# Altium PCB DD2090_4CAM_FFC.PcbDoc (part 2 of 4) (continued)
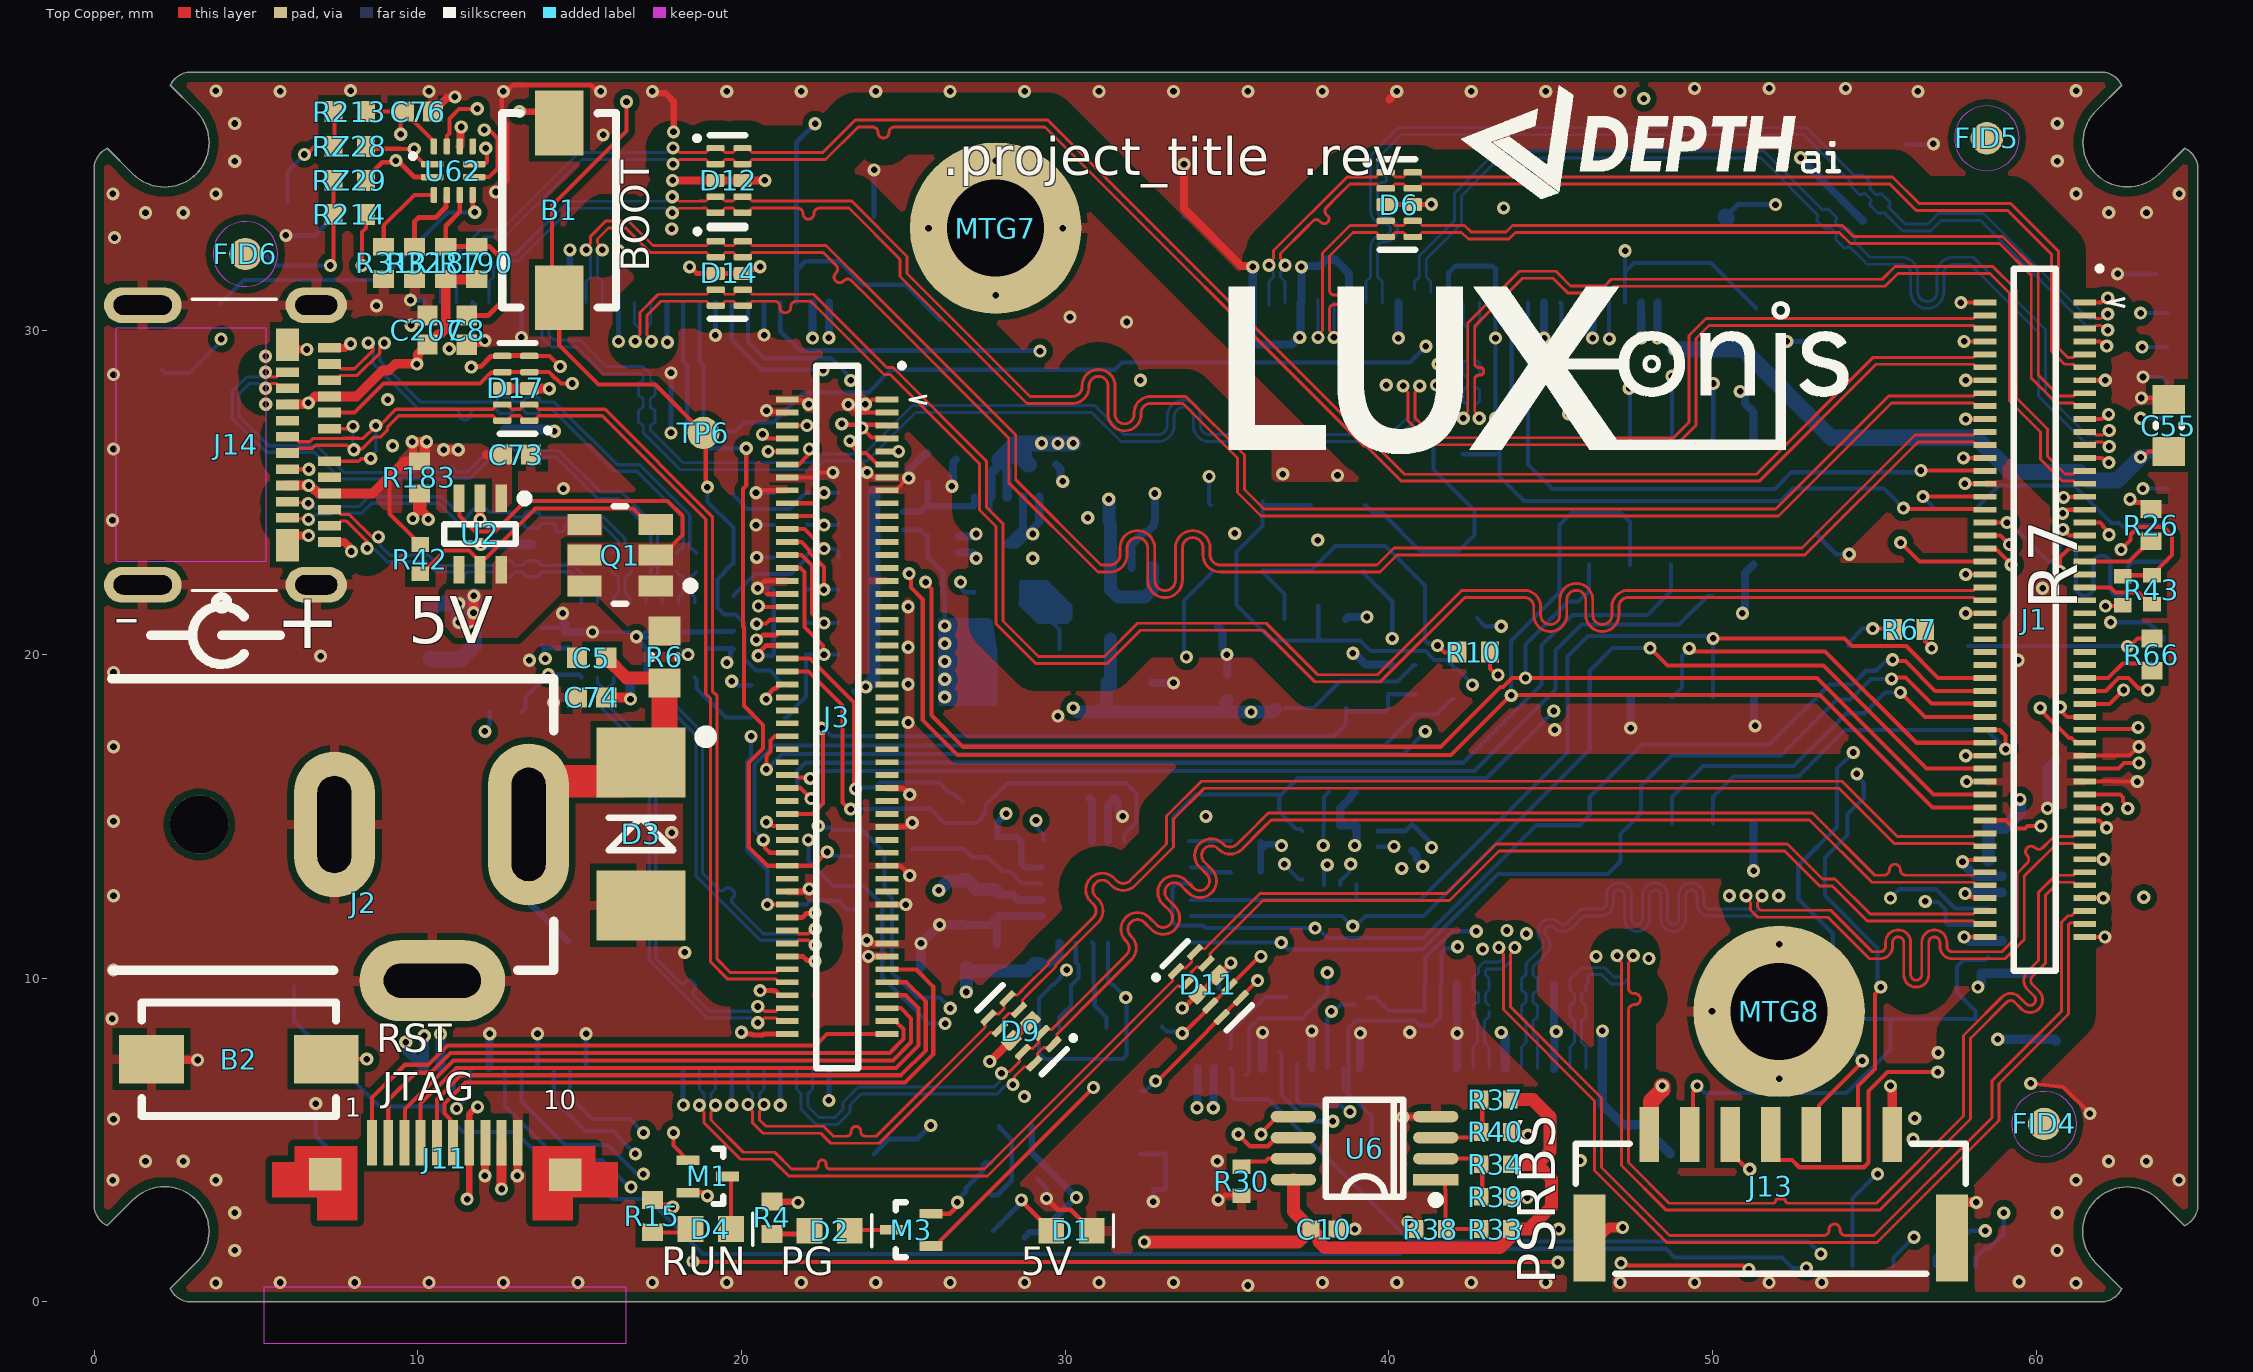
[diagram p0: Top Copper view]
## Nets (pads, with @x,y where several pads share a name; then routed paths per layer and width w, separated by ;. In a path a pad name is that pad's centre, name@x,y a point inside that pad or via, vN(x,y) a via of type N, cw(c..) or ccw(c..) an arc to the next point about the centre after c; other vN are vias at no path point) (continued)
BNO08x_INT_1V8: J1.69 TP25.1 U7.4 U12.14 | length 32.3
  Top Copper w0.127: v1(60.125,18.35) 60.125,18.304 61.009,17.42 61.095,17.42 61.24,17.275 J1.69@61.5,17.275
  Layer 2 w0.127: v1(45.096,18.255) 45.144,18.303 60.078,18.303 v1(60.125,18.35)
  Bottom Layer w0.127: U12.14@33.328,14.234 33.328,14.98 34.023,15.675 TP25.1@36.575,15.675 ; U7.4@37.337,14.55 37.276,14.612 37.139,14.612 36.617,15.133 36.617,15.633 TP25.1@36.575,15.675 ; v1(45.096,18.255) 43.019,16.178 37.187,16.178 36.684,15.675 TP25.1@36.575,15.675
BNO08x_RSTn_1V8: J3.44 TP19.1 U12.11 | length 16.9
  Top Copper w0.127: J3.44@21.415,19.475 22.075,19.475 23.125,18.425 23.125,15.427 23.327,15.225 v1(23.375,15.225)
  Bottom Layer w0.127: v1(23.375,15.225) TP19.1@24.175,15.225 ; TP19.1@24.175,15.236 25.837,15.236 26.273,14.8 27.256,14.8 27.546,15.09 27.546,15.353 28.218,16.025 31.881,16.025 32.201,15.705 32.201,14.819 31.828,14.446 U12.11@31.828,14.234
BNO08x_SCK_1V8: J1.74 J5.1 U7.13 U12.19 | length 34
  Top Copper w0.127: v1(48.073,20.2) 48.61,19.663 53.431,19.663 56.608,16.485 58.41,16.485 J1.74@58.42,16.475
  Layer 3 w0.127: v1(38.825,13.525) 38.856,13.494 38.856,11.641 v1(38.887,11.61)
  Bottom Layer w0.127: U12.19@33.891,11.921 38.552,11.921 38.887,11.586 38.887,11.53 39.282,11.925 41.073,11.925 46.208,17.06 46.208,19.495 46.913,20.2 v1(48.073,20.2) ; U7.13@38.5,12.888 38.5,13 38.772,13.272 38.772,13.472 v1(38.825,13.525)
BOOT0: J3.26 R16.1 R23.1 | length 3.8
  Top Copper w0.127: J3.26@21.415,23.075 21.85,23.075 22.179,22.746 22.179,21.271 22.475,20.975 v1(22.55,20.975)
  Bottom Layer w0.127: R23.1@22.04,20.991 22.056,20.975 v1(22.55,20.975) 22.984,20.975 R16.1@23,20.991
BOOT1: J3.24 R22.1 R61.1 | length 3.2
  Top Copper w0.127: J3.24@21.415,23.475 21.85,23.475 22.107,23.218 22.107,23.147 22.547,22.707 v1(22.547,22.005)
  Bottom Layer w0.127: R22.1@22.04,22.005 v1(22.547,22.005) R61.1@23,22.005
BOOT2: J3.22 R21.1 R28.1 R60.1 | length 5.5
  Top Copper w0.127: J3.22@21.415,23.875 21.95,23.875 v1(22.55,23.275)
  Bottom Layer w0.127: R28.1@19.75,21.8 19.75,21.821 20.419,22.49 21.538,22.49 22,22.953 22,23.05 22.211,23.262 22.537,23.262 v1(22.55,23.275) 22.564,23.261 22.889,23.261 23,23.15 R60.1@23,23
BOOT3: J3.20 R20.1 R24.1 | length 2.2
  Top Copper w0.127: J3.20@21.415,24.275 22.261,24.275 22.536,24 v1(22.55,24)
  Bottom Layer w0.127: R20.1@22.04,24.033 22.073,24 22.967,24 R24.1@23,24.033
BOOT4: J3.18 R9.1 R19.1 R29.1 | length 4.9
  Top Copper w0.127: J3.18@21.415,24.675 22.225,24.675 v1(22.55,25)
  Bottom Layer w0.127: R29.1@19.75,24.925 20.175,24.5 21.5,24.5 22,25 R9.1@23,25
BOOT_AUX: J3.28 R2.1 R41.1 R63.1 | length 6.6
  Top Copper w0.127: J3.28@21.415,22.675 21.825,22.675 21.95,22.55 21.95,20.85 22.524,20.276 22.524,20.026 v1(22.55,20)
  Bottom Layer w0.127: R41.1@21.35,18.05 21.4,18.05 21.612,18.262 21.612,18.312 22,18.7 R63.1@22,20 ; R63.1@22.04,20 v1(22.55,20) R2.1@23,20
BOOT_SEL: B1.2 J4.7 J13.4 R28.2 R29.2 R41.2 TP6.1 | length 135.4
  Top Copper w0.127: v1(16.45,37.077) 16.45,36.175 14.15,33.875 14.15,31.248 B1.2@14.373,31.025 14.373,29.552 15.587,28.337 17.337,28.337 18.897,26.778 18.897,25.228 v1(18.95,25.175) ; J13.4@51.8,5.175 51.8,4.625 52.036,4.389 52.453,4.389 52.682,4.16 54.685,4.16 54.825,4.3 54.825,6.518 55.407,7.1 v1(56.962,7.1)
  Layer 2 w0.127: v1(16.45,37.077) 16.975,37.077 17.074,36.979 20.825,36.979 21.904,35.9 52.694,35.9 53.294,35.3 53.5,35.3 53.8,35.6 54.725,35.6 56.2,34.125 59.3,34.125 60.875,32.55 60.875,25.829 63.925,22.779 63.925,17.9 ; v1(50.023,28.375) 50.098,28.375 50.223,28.5 56.079,28.5 58.503,26.076 58.503,22.348 62.476,18.375 63.45,18.375 63.925,17.9 ; v1(63.325,12.5) 63.925,13.1 63.925,17.9
  Layer 3 w0.127: v1(56.962,7.1) 56.95,7.088 56.95,6.6 57.275,6.275 58.357,6.275 59.763,6.275 60.975,6.275 61.375,6.675 62.775,6.675 63.325,7.225 v1(63.325,12.5)
  Bottom Layer w0.127: v1(18.95,25.175) 18.957,25.168 18.957,24.718 R29.2@19.75,23.925 R28.2@19.75,22.8 19.7,22.8 19.489,22.589 19.489,22.551 19.26,22.323 19.26,21.457 19.475,21.242 19.812,21.242 20.095,20.958 20.095,19.864 20.449,19.51 20.89,19.51 21.089,19.312 21.089,19.262 21.3,19.05 R41.2@21.35,19.05 ; J4.7@49.993,26.675 50.023,26.705 v1(50.023,28.375)
CAM1_CLK: D10.5 D10.6 D13.5 D13.6 J1.28 J6.18 J10.18 TP4.1 TP22.1 | length 50.4
  Top Copper w0.127: v1(56.438,25.687) 56.444,25.681 58.414,25.681 J1.28@58.42,25.675
  Layer 2 w0.127: v1(41.148,29.525) 41.552,29.525 41.752,29.325 43.748,29.325 43.948,29.525 v1(44.298,29.525)
  Bottom Layer w0.127: J10.18@18.7,30.875 18.7,29.05 18.825,28.925 D13.5@18.825,28.192 D13.6@18.825,27.357 18.825,26.961 18.899,26.886 19.803,26.886 20.085,27.168 20.989,27.168 21.921,28.1 23.925,28.1 24.625,28.8 31.536,28.8 31.761,29.025 40.648,29.025 v1(41.148,29.525) ; J6.18@44.298,30.875 v1(44.298,29.525) D10.5@44.298,28.835 D10.6@44.298,28 44.298,25.875 45.056,25.117 51.925,25.117 52.441,25.633 56.385,25.633 v1(56.438,25.687)
CAM1_RST: D10.4 D10.7 J1.34 J6.17 TP3.1 | length 22.4
  Top Copper w0.127: v1(55.898,24.525) 55.923,24.5 58.395,24.5 J1.34@58.42,24.475
  Bottom Layer w0.127: TP3.1@42.275,26.188 43.41,26.188 43.423,26.2 ; J6.17@43.798,30.875 D10.4@43.798,28.835 D10.7@43.798,28 43.798,26.925 43.423,26.55 43.423,26.2 ; v1(55.898,24.525) 55.298,25.125 52.485,25.125 52.1,24.74 44.183,24.74 43.423,25.5 43.423,26.2
CAM2_RST: D13.4 D13.7 J3.74 J10.17 TP23.1 | length 22.5
  Top Copper w0.127: v1(20.15,26.375) 20.15,25.221 20.052,25.123 20.052,20.86 20.082,20.83 20.082,18.418 20.671,17.829 20.671,17.096 20.225,16.65 20.225,14.05 20.8,13.475 J3.74@21.415,13.475 22.225,13.475 v1(22.65,13.9)
  Bottom Layer w0.127: J10.17@18.2,30.875 18.2,29.075 18.325,28.95 D13.4@18.325,28.192 D13.7@18.325,27.357 18.325,26.975 18.925,26.375 v1(20.15,26.375) ; v1(22.65,13.9) 22.726,13.9 22.851,13.775 TP23.1@23.4,13.775
CAM_L_C_N: D7.1 D7.10 J1.95 J8.8 | length 35.2
  Top Copper w0.089: v1(43.895,10.95) 43.895,10.879 43.756,10.739 43.756,9.119 46.575,6.3 46.575,4.15 48.675,2.05 53.122,2.05 53.428,2.05 ccw(c53.428,2.221) 53.599,2.221 53.599,2.233 cw(c53.771,2.233) 53.942,2.233 53.942,2.221 ccw(c54.114,2.221) 54.114,2.05 54.501,2.05 54.995,2.05 58.634,5.689 58.634,6.834 60.788,8.988 60.788,11.74 60.979,11.931 61.096,11.931 61.24,12.075 J1.95@61.5,12.075
  Bottom Layer w0.089: J8.8@43.1,7.227 J8.8@43.098,7.225 43.098,7.875 42.956,8.017 42.956,8.24 42.958,8.242 42.958,8.692 43.013,8.748 43.045,8.748 43.1,8.803 D7.1@43.1,8.982 ; D7.1@43.1,9.162 42.989,9.273 42.983,9.273 42.983,9.527 42.989,9.527 43.1,9.638 D7.10@43.1,9.817 43.1,9.997 42.989,10.108 42.983,10.108 42.983,10.235 43.035,10.287 43.519,10.287 43.756,10.524 43.756,10.739 43.895,10.879 v1(43.895,10.95)
CAM_L_C_P: D7.2 D7.9 J1.97 J8.9 | length 35.2
  Top Copper w0.089: v1(43.4,10.95) 43.4,10.879 43.54,10.739 43.54,9.03 46.359,6.211 46.359,4.061 48.586,1.834 53.122,1.834 54.501,1.834 55.084,1.834 58.85,5.6 58.85,6.745 61.004,8.899 61.004,11.651 61.069,11.716 61.459,11.716 J1.97@61.5,11.675
  Bottom Layer w0.089: J8.9@42.598,7.225 42.598,7.875 42.74,8.017 42.74,8.329 42.742,8.331 42.742,8.692 42.687,8.748 42.655,8.748 42.6,8.803 D7.2@42.6,8.982 ; D7.2@42.6,9.162 42.655,9.217 42.712,9.217 42.767,9.273 42.767,9.527 42.712,9.583 42.68,9.583 42.6,9.663 D7.9@42.6,9.817 42.6,10.003 42.767,10.17 42.767,10.325 42.946,10.503 43.429,10.503 43.54,10.614 43.54,10.739 43.4,10.879 v1(43.4,10.95)
CAM_L_D0_N: D5.1 D5.10 J1.89 J8.2 | length 35.2
  Top Copper w0.089: v1(47.55,10.7) 47.55,10.62 47.405,10.475 47.405,9.698 ccw(c47.577,9.698) 47.577,9.527 47.601,9.527 cw(c47.601,9.355) 47.601,9.184 47.577,9.184 ccw(c47.577,9.012) 47.405,9.012 47.405,8.625 47.405,4.304 48.66,3.05 51.025,3.05 51.867,3.05 ccw(c51.867,3.139) 51.956,3.139 cw(c52,3.139) 52,3.183 52.205,3.183 cw(c52.205,3.139) 52.249,3.139 ccw(c52.338,3.139) 52.338,3.05 52.675,3.05 53.025,3.05 55.07,3.05 57.759,5.739 57.759,8.234 57.892,8.367 58.939,9.414 cw(c59.213,9.141) 59.487,9.414 59.69,9.212 ccw(c59.811,9.333) 59.933,9.212 ccw(c59.811,9.333) 59.933,9.454 59.73,9.657 cw(c60.004,9.931) 59.73,10.205 59.837,10.312 60.075,10.55 60.075,12.655 60.603,13.183 61.148,13.183 61.24,13.275 J1.89@61.5,13.275
  Bottom Layer w0.089: 45.956,8.329 45.956,8.017 46.098,7.875 J8.2@46.098,7.225 ; 45.956,8.329 45.956,8.685 46.011,8.74 46.043,8.74 46.098,8.796 D5.1@46.098,8.975 46.098,9.155 46.043,9.21 46.011,9.21 45.956,9.265 45.956,9.52 46.011,9.575 46.043,9.575 46.098,9.631 D5.10@46.098,9.81 46.15,9.862 46.15,10.054 46.205,10.11 46.582,10.11 46.867,9.825 47.232,9.825 47.41,10.004 47.41,10.489 47.55,10.629 v1(47.55,10.7)
CAM_L_D0_P: D5.2 D5.9 J1.91 J8.3 | length 35.2
  Top Copper w0.089: v1(47.055,10.7) 47.055,10.614 47.19,10.479 47.19,4.215 48.57,2.834 55.159,2.834 57.975,5.65 57.975,8.145 58.045,8.214 59.092,9.262 cw(c59.213,9.141) 59.335,9.262 59.537,9.059 ccw(c59.811,9.333) 60.085,9.059 ccw(c59.811,9.333) 60.085,9.607 59.882,9.81 cw(c60.004,9.931) 59.882,10.052 59.99,10.16 60.291,10.461 60.291,12.566 60.692,12.967 61.148,12.967 61.24,12.875 J1.91@61.5,12.875
  Bottom Layer w0.089: J8.3@45.598,7.225 45.598,7.875 45.74,8.017 45.74,8.24 45.74,8.685 45.684,8.74 45.653,8.74 45.598,8.796 D5.2@45.598,8.975 45.598,9.155 45.653,9.21 45.684,9.21 45.74,9.265 45.74,9.52 45.684,9.575 45.653,9.575 45.598,9.631 D5.9@45.598,9.81 45.598,9.99 45.653,10.045 45.684,10.045 45.965,10.326 46.671,10.326 46.956,10.041 47.142,10.041 47.194,10.093 47.194,10.489 47.055,10.629 v1(47.055,10.7)
CAM_L_D1_N: D5.4 D5.7 J1.83 J8.5 | length 35.2
  Top Copper w0.089: v1(51.531,12.55) 51.531,12.479 51.391,12.339 51.391,12.196 51.487,12.1 53.655,12.1 54.937,10.819 55.025,10.819 55.177,10.819 ccw(c55.177,10.99) 55.349,10.99 55.349,11.107 cw(c55.736,11.107) 56.124,11.107 56.124,10.11 ccw(c56.295,10.11) 56.466,10.11 56.466,11.107 cw(c56.854,11.107) 57.241,11.107 57.241,10.99 ccw(c57.413,10.99) 57.413,10.819 58.25,10.819 58.944,10.819 59.415,11.29 59.415,13.245 59.452,13.283 59.722,13.552 ccw(c59.602,13.672) 59.722,13.792 cw(c59.842,13.912) 59.722,14.032 cw(c59.842,13.912) 59.962,14.032 ccw(c60.081,14.151) 60.201,14.032 60.472,14.303 60.553,14.383 61.148,14.383 61.24,14.475 J1.83@61.5,14.475
  Bottom Layer w0.089: 44.456,8.329 44.456,8.281 44.598,8.138 J8.5@44.598,7.225 ; 44.456,8.329 44.456,8.685 44.511,8.74 44.543,8.74 44.598,8.796 D5.4@44.598,8.975 44.598,9.155 44.543,9.21 44.511,9.21 44.456,9.265 44.456,9.52 44.511,9.575 44.543,9.575 44.598,9.631 D5.7@44.598,9.81 44.598,9.99 44.543,10.045 44.511,10.045 44.456,10.1 44.456,10.356 44.763,10.663 44.87,10.77 ccw(c44.596,11.044) 44.87,11.318 ; 44.87,11.318 cw(c44.991,11.439) 44.87,11.561 cw(c44.991,11.439) 45.113,11.561 ccw(c45.387,11.834) 45.661,11.561 46.025,11.925 46.358,11.925 46.4,11.925 46.552,11.925 ccw(c46.552,12.312) 46.94,12.312 46.94,12.558 cw(c47.111,12.558) 47.283,12.558 47.283,11.834 ccw(c47.67,11.834) 48.057,11.834 48.057,12.558 cw(c48.229,12.558) 48.4,12.558 48.4,11.834 ccw(c48.788,11.834) 49.175,11.834 49.175,12.558 cw(c49.346,12.558) 49.518,12.558 49.518,12.312 ccw(c49.905,12.312) 49.905,11.925 51.1,11.925 51.213,11.925 51.391,12.104 51.391,12.339 51.531,12.479 v1(51.531,12.55)
CAM_L_D1_P: D5.5 D5.6 J1.85 J8.6 | length 35.2
  Top Copper w0.089: v1(51.036,12.55) 51.036,12.479 51.175,12.339 51.175,12.106 51.398,11.884 53.566,11.884 54.847,10.603 55.025,10.603 55.177,10.603 ccw(c55.177,10.99) 55.565,10.99 55.565,11.107 cw(c55.736,11.107) 55.908,11.107 55.908,10.11 ccw(c56.295,10.11) 56.682,10.11 56.682,11.107 cw(c56.854,11.107) 57.025,11.107 57.025,10.99 ccw(c57.413,10.99) 57.413,10.603 58.25,10.603 59.033,10.603 59.631,11.201 59.631,13.156 60.642,14.167 61.148,14.167 61.24,14.075 J1.85@61.5,14.075
  Bottom Layer w0.089: J8.6@44.098,7.225 44.098,7.875 44.24,8.017 44.24,8.24 44.24,8.685 44.184,8.74 44.153,8.74 44.098,8.796 D5.5@44.098,8.975 44.098,9.155 44.153,9.21 44.184,9.21 44.24,9.265 44.24,9.52 44.184,9.575 44.153,9.575 44.098,9.631 D5.6@44.098,9.81 44.098,9.99 44.153,10.045 44.184,10.045 44.24,10.1 44.24,10.445 44.61,10.815 44.718,10.923 ccw(c44.596,11.044) 44.718,11.165 cw(c44.991,11.439) 44.718,11.713 cw(c44.991,11.439) 45.265,11.713 ccw(c45.387,11.834) 45.508,11.713 45.936,12.141 46.142,12.141 46.4,12.141 46.552,12.141 ccw(c46.552,12.312) 46.724,12.312 46.724,12.558 cw(c47.111,12.558) 47.499,12.558 47.499,11.834 ccw(c47.67,11.834) 47.841,11.834 47.841,12.558 cw(c48.229,12.558) 48.616,12.558 48.616,11.834 ccw(c48.788,11.834) 48.959,11.834 48.959,12.558 cw(c49.346,12.558) 49.734,12.558 49.734,12.312 ccw(c49.905,12.312) 49.905,12.141 51.1,12.141 51.123,12.141 51.175,12.193 51.175,12.339 51.036,12.479 v1(51.036,12.55)
CAM_L_PWDN: D7.4 D7.7 J1.67 J8.17 TP1.1 | length 36.7
  Top Copper w0.127: J1.67@61.5,17.675 61.526,17.701 63.101,17.701 v1(63.15,17.75)
  Layer 2 w0.127: v1(42.125,10.975) 42.125,11.5 45.104,14.479 57.949,14.479 58.648,15.178 58.648,15.369 59.347,16.068 59.397,16.068 59.656,16.327 61.077,16.327 61.637,16.887 61.637,17.087 62.3,17.75 v1(63.15,17.75)
  Bottom Layer w0.127: J8.17@38.598,7.225 38.598,6.575 38.783,6.39 38.783,6.357 38.896,6.244 38.954,6.244 39.475,5.723 TP1.1@39.475,4.775 ; 38.755,6.357 38.755,8.459 38.994,8.698 40.798,8.698 40.961,8.535 41.335,8.535 41.6,8.8 D7.7@41.6,9.817 41.625,9.842 41.625,10.8 41.747,10.922 42.072,10.922 v1(42.125,10.975)
CAM_R_C_N: D11.1 D11.10 J1.96 J9.8 | length 47.6
  Top Copper w0.089: v1(19.198,6.075) 19.198,6.004 19.058,5.864 19.058,5.625 20.058,4.625 21.028,4.625 21.55,4.103 21.767,4.103 22.254,4.103 ccw(c22.254,4.223) 22.375,4.223 22.375,4.265 cw(c22.496,4.265) 22.616,4.265 22.616,4.223 ccw(c22.737,4.223) 22.737,4.103 23.023,4.103 27.512,4.103 33.32,9.911 33.32,9.99 33.298,10.012 33.298,10.09 D11.1@33.425,10.217 33.552,10.344 33.63,10.344 33.652,10.321 33.731,10.321 33.911,10.502 33.911,10.58 33.889,10.602 33.889,10.68 D11.10@34.016,10.807 34.143,10.934 34.22,10.934 34.243,10.912 34.321,10.912 34.402,10.993 36.025,12.616 41.786,12.616 43.317,14.147 52.322,14.147 53.404,13.065 53.79,13.065 54.872,11.983 57.846,11.983 58.068,11.983 58.16,12.075 J1.96@58.42,12.075
  Bottom Layer w0.089: v1(19.198,6.075) 19.11,6.075 19.058,6.127 19.058,6.433 19.2,6.575 J9.8@19.2,7.225
CAM_R_C_P: D11.2 D11.9 J1.98 J9.9 | length 47.6
  Top Copper w0.089: v1(18.702,6.075) 18.702,6.004 18.842,5.864 18.842,5.536 19.969,4.409 20.938,4.409 21.461,3.887 27.602,3.887 33.473,9.758 33.552,9.758 33.574,9.736 33.652,9.736 D11.2@33.779,9.863 33.906,9.99 33.906,10.068 33.883,10.09 33.883,10.169 34.064,10.349 34.142,10.349 34.164,10.327 34.242,10.327 D11.9@34.369,10.454 34.496,10.58 34.496,10.658 34.474,10.681 34.474,10.759 34.618,10.903 36.115,12.4 41.875,12.4 43.406,13.931 52.232,13.931 53.314,12.849 53.701,12.849 54.783,11.767 57.756,11.767 58.068,11.767 58.16,11.675 J1.98@58.42,11.675
  Bottom Layer w0.089: J9.9@18.7,7.225 18.7,6.575 18.842,6.433 18.842,6.127 18.754,6.127 v1(18.702,6.075)
CAM_R_D0_N: D9.2 D9.9 J1.90 J9.2 | length 47.5
  Top Copper w0.089: v1(28.035,7.063) 28.085,7.113 28.283,7.113 28.536,7.366 28.588,7.418 28.588,7.497 28.566,7.519 28.566,7.597 D9.9@28.693,7.724 28.82,7.851 28.898,7.851 28.92,7.829 28.999,7.829 29.179,8.009 29.179,8.087 29.156,8.109 29.156,8.187 D9.2@29.283,8.314 29.41,8.441 29.488,8.441 29.51,8.419 29.589,8.419 29.756,8.586 30.764,9.594 30.872,9.702 ; 30.872,9.702 31.893,10.723 ; 31.893,11.141 31.875,11.158 cw(c32.236,11.519) 31.875,11.88 cw(c32.236,11.519) 32.597,11.88 ; 31.894,10.724 ccw(c31.685,10.932) 31.894,11.14 ; 32.598,11.88 32.819,11.658 ccw(c33.028,11.866) 33.236,11.657 ; 33.237,11.658 ccw(c33.028,11.866) 33.236,12.074 33.014,12.296 cw(c33.375,12.657) 33.014,13.018 cw(c33.375,12.657) 33.735,13.018 ; 33.736,13.018 33.957,12.796 ccw(c34.166,13.004) 34.374,12.795 ; 34.375,12.796 ccw(c34.166,13.004) 34.374,13.212 34.152,13.435 cw(c34.513,13.795) 34.152,14.156 cw(c34.513,13.795) 34.874,14.156 34.891,14.139 ; 34.892,14.138 ccw(c35.1,14.346) 35.308,14.138 ; 35.309,14.139 35.877,14.707 35.985,14.815 36.278,15.108 53.09,15.108 55.015,13.183 55.25,13.183 55.294,13.183 ccw(c55.294,13.352) 55.464,13.352 cw(c55.633,13.352) 55.633,13.522 cw(c55.633,13.352) 55.803,13.352 ccw(c55.972,13.352) 55.972,13.183 56.816,13.183 57.846,13.183 58.068,13.183 58.16,13.275 J1.90@58.42,13.275
  Bottom Layer w0.089: J9.2@22.2,7.225 22.2,6.575 22.058,6.433 22.058,6.042 22.4,5.7 22.884,5.7 23.134,5.95 23.134,6.164 23.604,6.634 27.804,6.634 27.985,6.815 27.985,7.012 v1(28.035,7.063)
CAM_R_D0_P: D9.1 D9.10 J1.92 J9.3 | length 47.5
  Top Copper w0.089: v1(28.385,6.712) 28.436,6.763 28.436,6.96 28.626,7.15 28.741,7.266 28.819,7.266 28.842,7.243 28.92,7.243 D9.10@29.046,7.37 29.173,7.497 29.173,7.575 29.151,7.597 29.151,7.676 29.331,7.856 29.41,7.856 29.432,7.834 29.51,7.834 D9.1@29.637,7.961 29.764,8.088 29.764,8.166 29.742,8.188 29.742,8.266 29.971,8.496 30.917,9.441 31.024,9.549 32.046,10.571 ccw(c31.685,10.932) 32.046,11.293 32.029,11.31 cw(c32.236,11.519) 32.028,11.727 ; 32.028,11.728 cw(c32.236,11.519) 32.445,11.727 32.667,11.505 ccw(c33.028,11.866) 33.389,11.505 ccw(c33.028,11.866) 33.389,12.227 ; 33.166,12.865 ccw(c33.375,12.657) 33.167,12.449 33.388,12.227 ; 33.167,12.866 cw(c33.375,12.657) 33.583,12.866 33.805,12.643 ccw(c34.166,13.004) 34.527,12.643 ccw(c34.166,13.004) 34.527,13.365 34.305,13.587 ; 34.305,13.587 cw(c34.513,13.795) 34.304,14.003 cw(c34.513,13.795) 34.721,14.004 34.738,13.986 ccw(c35.1,14.346) 35.461,13.986 36.03,14.555 ; 36.03,14.555 36.138,14.662 36.367,14.892 53,14.892 54.925,12.967 57.756,12.967 58.068,12.967 58.16,12.875 J1.92@58.42,12.875
  Bottom Layer w0.089: J9.3@21.7,7.225 21.7,6.575 21.842,6.433 21.842,5.953 22.311,5.484 22.974,5.484 23.35,5.861 23.35,6.075 23.693,6.418 27.893,6.418 28.137,6.662 28.335,6.662 v1(28.385,6.712)
CAM_R_D1_N: D9.5 D9.6 J1.84 J9.5 | length 47.5
  Top Copper w0.089: v1(20.698,6.1) 20.698,6.029 20.558,5.889 20.558,5.625 20.755,5.428 22.539,5.428 22.848,5.119 23.001,5.119 23.246,5.119 ccw(c23.246,5.265) 23.393,5.265 23.393,5.277 cw(c23.539,5.277) 23.685,5.277 23.685,5.265 ccw(c23.831,5.265) 23.831,5.119 24.167,5.119 27.528,8.479 27.528,8.557 27.505,8.58 27.505,8.658 D9.6@27.632,8.785 27.759,8.912 27.837,8.912 27.859,8.889 27.938,8.889 28.118,9.069 28.118,9.148 28.096,9.17 28.096,9.248 D9.5@28.223,9.375 28.35,9.502 28.428,9.502 28.45,9.48 28.528,9.48 28.663,9.614 28.663,9.618 29.483,10.438 29.483,10.493 30.383,11.392 30.49,11.5 ; 30.49,11.5 30.867,11.877 ; 30.867,12.294 30.788,12.373 cw(c31.149,12.734) 30.788,13.095 cw(c31.149,12.734) 31.51,13.095 31.589,13.016 ; 30.868,11.877 ccw(c30.659,12.086) 30.868,12.294 ; 31.59,13.015 ccw(c31.797,13.224) 32.006,13.016 32.575,13.585 32.683,13.692 33.134,14.144 33.134,15.009 34.211,16.086 54.003,16.086 55.706,14.383 57.693,14.383 58.068,14.383 58.16,14.475 J1.84@58.42,14.475
  Bottom Layer w0.089: v1(20.698,6.1) 20.698,6.152 20.558,6.292 20.558,6.433 20.7,6.575 J9.5@20.7,7.225
CAM_R_D1_P: D9.4 D9.7 J1.86 J9.6 | length 47.5
  Top Copper w0.089: v1(20.202,6.1) 20.202,6.029 20.342,5.889 20.342,5.536 20.666,5.212 22.449,5.212 22.758,4.903 24.257,4.903 27.68,8.326 27.759,8.326 27.781,8.304 27.859,8.304 D9.7@27.986,8.431 28.113,8.558 28.113,8.636 28.091,8.658 28.091,8.737 28.271,8.917 28.349,8.917 28.371,8.895 28.449,8.895 D9.4@28.576,9.021 28.703,9.148 28.703,9.226 28.681,9.249 28.681,9.327 28.878,9.525 28.878,9.529 29.698,10.349 29.698,10.403 30.535,11.24 30.643,11.347 31.02,11.724 ccw(c30.659,12.086) 31.02,12.447 30.941,12.525 cw(c31.149,12.734) 30.941,12.942 ; 30.941,12.943 cw(c31.149,12.734) 31.357,12.942 31.436,12.864 ccw(c31.797,13.224) 32.159,12.863 32.727,13.432 32.835,13.54 33.35,14.055 33.35,14.92 34.3,15.87 53.913,15.87 55.616,14.167 57.604,14.167 58.068,14.167 58.16,14.075 J1.86@58.42,14.075
  Bottom Layer w0.089: J9.6@20.2,7.225 20.2,6.575 20.342,6.433 20.342,6.292 20.202,6.152 v1(20.202,6.1)
CAM_R_PWDN: D11.4 D11.7 J1.65 J9.17 TP13.1 | length 56.2
  Top Copper w0.127: v1(33.62,8.3) 33.664,8.3 34.486,9.122 D11.4@34.486,9.156 ; D11.4@34.485,9.157 36.004,10.676 v1(36.051,10.676) ; v1(60.75,18.375) 60.803,18.322 60.803,18.231 60.959,18.075 J1.65@61.5,18.075
  Layer 2 w0.127: v1(16.975,5.225) 17.332,5.225 17.925,4.632 31.429,4.632 32.429,5.632 32.429,7.109 v1(33.62,8.3) ; v1(36.051,10.676) 40.901,10.676 45.21,14.985 57.415,14.985 58.361,15.932 58.429,15.932 59.766,17.268 60.224,17.268 60.8,17.844 60.8,18.325 v1(60.75,18.375)
  Bottom Layer w0.127: J9.17@14.7,7.225 14.7,6.35 15.4,5.65 16.55,5.65 v1(16.975,5.225) ; TP13.1@32.998,8.5 33.144,8.353 33.567,8.353 v1(33.62,8.3)
CAP: C46.1 U12.9 | length 1.3
  Bottom Layer w0.25: C46.1@30.748,15.55 30.828,15.47 U12.9@30.828,14.234
CC1: D17.4 D17.7 J14.A5 RZ28.2 U62.1 | length 19.8
  Top Copper w0.127: J14.A5@7.275,27.475 8.05,27.475 8.946,28.371 11.929,28.371 12.263,28.706 12.593,28.706 D17.7@12.613,28.725 14.054,28.725 14.247,28.532 14.266,28.532 14.423,28.375 v1(14.775,28.375) ; RZ28.2@8.398,35.7 8.471,35.627 9.475,35.627 9.479,35.623 v1(9.891,35.623) 9.944,35.57 9.944,35.403 10.198,35.15 U62.1@10.448,35.15
  Layer 3 w0.127: v1(9.891,35.623) 9.891,34.782 14.775,29.898 v1(14.775,28.375)
CC2: D17.5 D17.6 J14.B5 RZ29.2 U62.2 | length 27.8
  Top Copper w0.127: D17.5@13.448,29.225 14.075,29.225 v1(14.4,28.9)
  Top Copper w0.152: J14.B5@5.976,25.724 v1(6.637,25.724) ; RZ29.2@8.398,34.65 8.398,34.7 8.907,35.21 9.274,35.21 v1(9.323,35.258) 9.389,35.258 9.898,34.75 U62.2@10.448,34.75 ; RZ29.2@8.41,34.713 8.423,34.7 8.423,34.65 RZ29.2@8.498,34.575 ; v1(11.65,28.882) 11.663,28.895 11.943,28.895 12.257,29.209 12.596,29.209 12.625,29.238 D17.5@13.448,29.238
  Layer 3 w0.127: v1(9.323,35.258) 9.323,34.75 14.4,29.673 v1(14.4,28.9)
  Layer 3 w0.152: v1(6.637,25.724) 6.309,25.724 5.825,25.24 5.825,23.936 6.467,23.294 7.044,23.294 7.25,23.5 7.25,23.775 8.213,24.737 10.962,24.737 11.681,25.456 11.681,27.326 11.65,27.356 v1(11.65,28.882)
CD_SW1: J7.9 R66.1 | length 5.8
  Top Copper w0.127: v1(62.825,20.25) 62.876,20.25 63.126,20.5 R66.1@63.575,20.5
  Bottom Layer w0.127: J7.9@57.9,20.265 62.81,20.265 v1(62.825,20.25)
CD_SW2: J7.10 R67.2 | length 1.7
  Top Copper w0.127: v1(54.95,20.8) 55.55,20.8 R67.2@55.575,20.775
  Bottom Layer w0.127: J7.10@54.2,20.265 54.2,20.363 54.636,20.8 v1(54.95,20.8)
COM_AUX_IO2: R10.1 R13.1 R14.1 R27.1 U5.1 | length 10.3
  Top Copper w0.127: v1(41.506,20.281) 41.72,20.066 41.911,20.066 R10.1@41.917,20.072
  Bottom Layer w0.127: U5.1@36.773,21.1 36.773,21.875 36.098,22.55 R14.1@36.098,22.6 37.598,22.6 38.347,23.349 39.901,23.349 41.123,22.127 41.123,20.435 41.223,20.334 41.452,20.334 v1(41.506,20.281)
EEPROM_A0: R33.1 R38.2 U6.1 | length 2.9
  Top Copper w0.127: U6.1@41.45,3.775 41.63,3.775 41.741,3.663 41.741,3.484 41.75,3.475 R38.2@41.75,2.25 R33.1@42.85,2.25
EEPROM_A1: R34.1 R39.2 U6.2 | length 2.6
  Top Copper w0.127: U6.2@41.45,4.425 42.888,4.425 R39.2@42.888,3.243
EEPROM_A2: R37.1 R40.2 U6.3 | length 2.6
  Top Copper w0.127: U6.3@41.45,5.075 42.888,5.075 R37.1@42.888,6.269
ENV_SCL: R5.2 U12.15 | length 1.3
  Bottom Layer w0.127: U12.15@33.828,14.234 35.107,14.234 R5.2@35.123,14.25
ENV_SDA: R1.2 U12.16 | length 1.3
  Bottom Layer w0.127: U12.16@33.891,13.421 34.326,13.421 34.473,13.275 R1.2@35.123,13.275
FB_3V3: C17.1 R8.1 R25.2 U1.1 | length 3.3
  Bottom Layer w0.2: C17.1@25,24.405 25.53,24.405 25.7,24.575 R8.1@25.75,24.575 ; R25.2@25.75,25.325 R8.1@25.75,24.575 ; U1.1@27.2,24.875 27.2,24.615 27.16,24.575 R8.1@25.75,24.575
FSIN1: J6.23 R17.2 | length 17
  Layer 2 w0.127: v1(41.523,28.975) 46.037,28.975 v1(46.816,29.754)
  Bottom Layer w0.127: R17.2@39.273,24.625 39.516,24.381 39.789,24.381 40.97,23.2 42.148,23.2 42.648,23.7 42.648,24.452 41.382,25.718 41.382,27.463 41.841,27.921 41.841,28.657 41.548,28.95 v1(41.523,28.975) ; J6.23@46.798,30.875 46.807,30.866 46.807,29.763 v1(46.816,29.754)
FSIN2: J8.23 R13.2 | length 19.4
  Layer 2 w0.127: v1(40.106,20.499) 40.106,16.772 40.673,16.205 40.673,13.667 v1(40.398,13.393)
  Layer 3 w0.127: v1(38.098,10.175) 38.6,10.175 40.398,11.973 v1(40.398,13.393)
  Bottom Layer w0.127: J8.23@35.575,7.014 35.685,7.123 35.685,8.46 35.985,8.76 37.321,8.76 38.098,9.537 v1(38.098,10.175) ; R13.2@39.223,22.575 39.223,22.525 40.106,21.641 v1(40.106,20.499)
FSIN3: J9.23 R14.2 | length 36.1
  Layer 2 w0.127: v1(11.2,5.975) 11.688,5.487 14.712,5.487 16.325,7.1 25.448,7.1 28.575,10.227 28.575,15.207 33.293,19.925 v1(33.748,19.925)
  Bottom Layer w0.127: v1(11.2,5.975) 11.614,6.389 11.614,7.139 J9.23@11.7,7.225 ; v1@33.673,19.999 33.673,21.675 34.548,22.55 R14.2@34.548,22.6
FSIN4: J10.23 R18.2 | length 17
  Layer 2 w0.15: v1(29.225,29.375) 31.125,27.475 31.125,27.35 32.975,25.5 v1(34.448,25.5)
  Bottom Layer w0.127: v1(34.448,25.5) 34.448,24.675 R18.2@34.498,24.625
  Bottom Layer w0.15: J10.23@21.2,30.875 21.2,29.99 21.795,29.395 29.205,29.395 v1(29.225,29.375)
FSIN_4LANE: J13.6 R12.1 R17.1 R18.1 U5.2 | length 40.8
  Top Copper w0.127: J13.6@54.3,5.175 54.5,5.375 54.5,6.675 55.025,7.2 55.025,9.511 55.2,9.686 v1(55.2,9.725)
  Layer 2 w0.127: v1(42.583,19.062) 42.583,18.267 44.475,16.375 54.324,16.375 54.385,16.315 v1(54.46,16.315)
  Bottom Layer w0.127: R18.1@36.098,24.725 R18.1@36.098,24.625 ; R17.1@37.573,24.575 37.573,24.625 R18.1@36.098,24.625 ; U5.2@37.821,21.517 37.821,20.528 37.914,20.435 ; R12.1@42,19.55 42.125,19.55 42.583,19.092 v1(42.583,19.062) ; R12.1@42,19.625 41.788,19.837 41.397,19.837 41.128,20.105 39.436,20.105 39.107,20.435 37.914,20.435 ; v1(54.46,16.315) 54.46,16.24 54.675,16.025 54.675,15.575 54.175,15.075 54.175,14.425 53.475,13.725 53.475,12.55 55.1,10.925 55.1,9.901 55.2,9.801 v1(55.2,9.725) ; R18.1@36.098,24.625 36.098,23.973 35.3,23.175 35.3,21.525 36.39,20.435 37.914,20.435
FSIN_MODE_SELECT: J3.66 R11.2 R44.1 U5.4 | length 23.2
  Top Copper w0.127: J3.66@21.415,15.075 22.196,15.075 22.518,15.397 22.518,17.682 v1(22.475,17.725)
  Bottom Layer w0.127: v1(22.475,17.725) 22.551,17.725 22.786,17.49 38.312,17.49 38.673,17.85 38.673,18.3 U5.4@38.723,18.3 ; U5.4@38.673,18.35 U5.4@38.723,18.3 ; R44.1@40.825,18.775 R11.2@39.975,18.775 39.975,18.324 39.901,18.25 38.773,18.25 U5.4@38.723,18.3